# Altium PCB PowerBoard.PcbDoc (part 1 of 2) (continued)
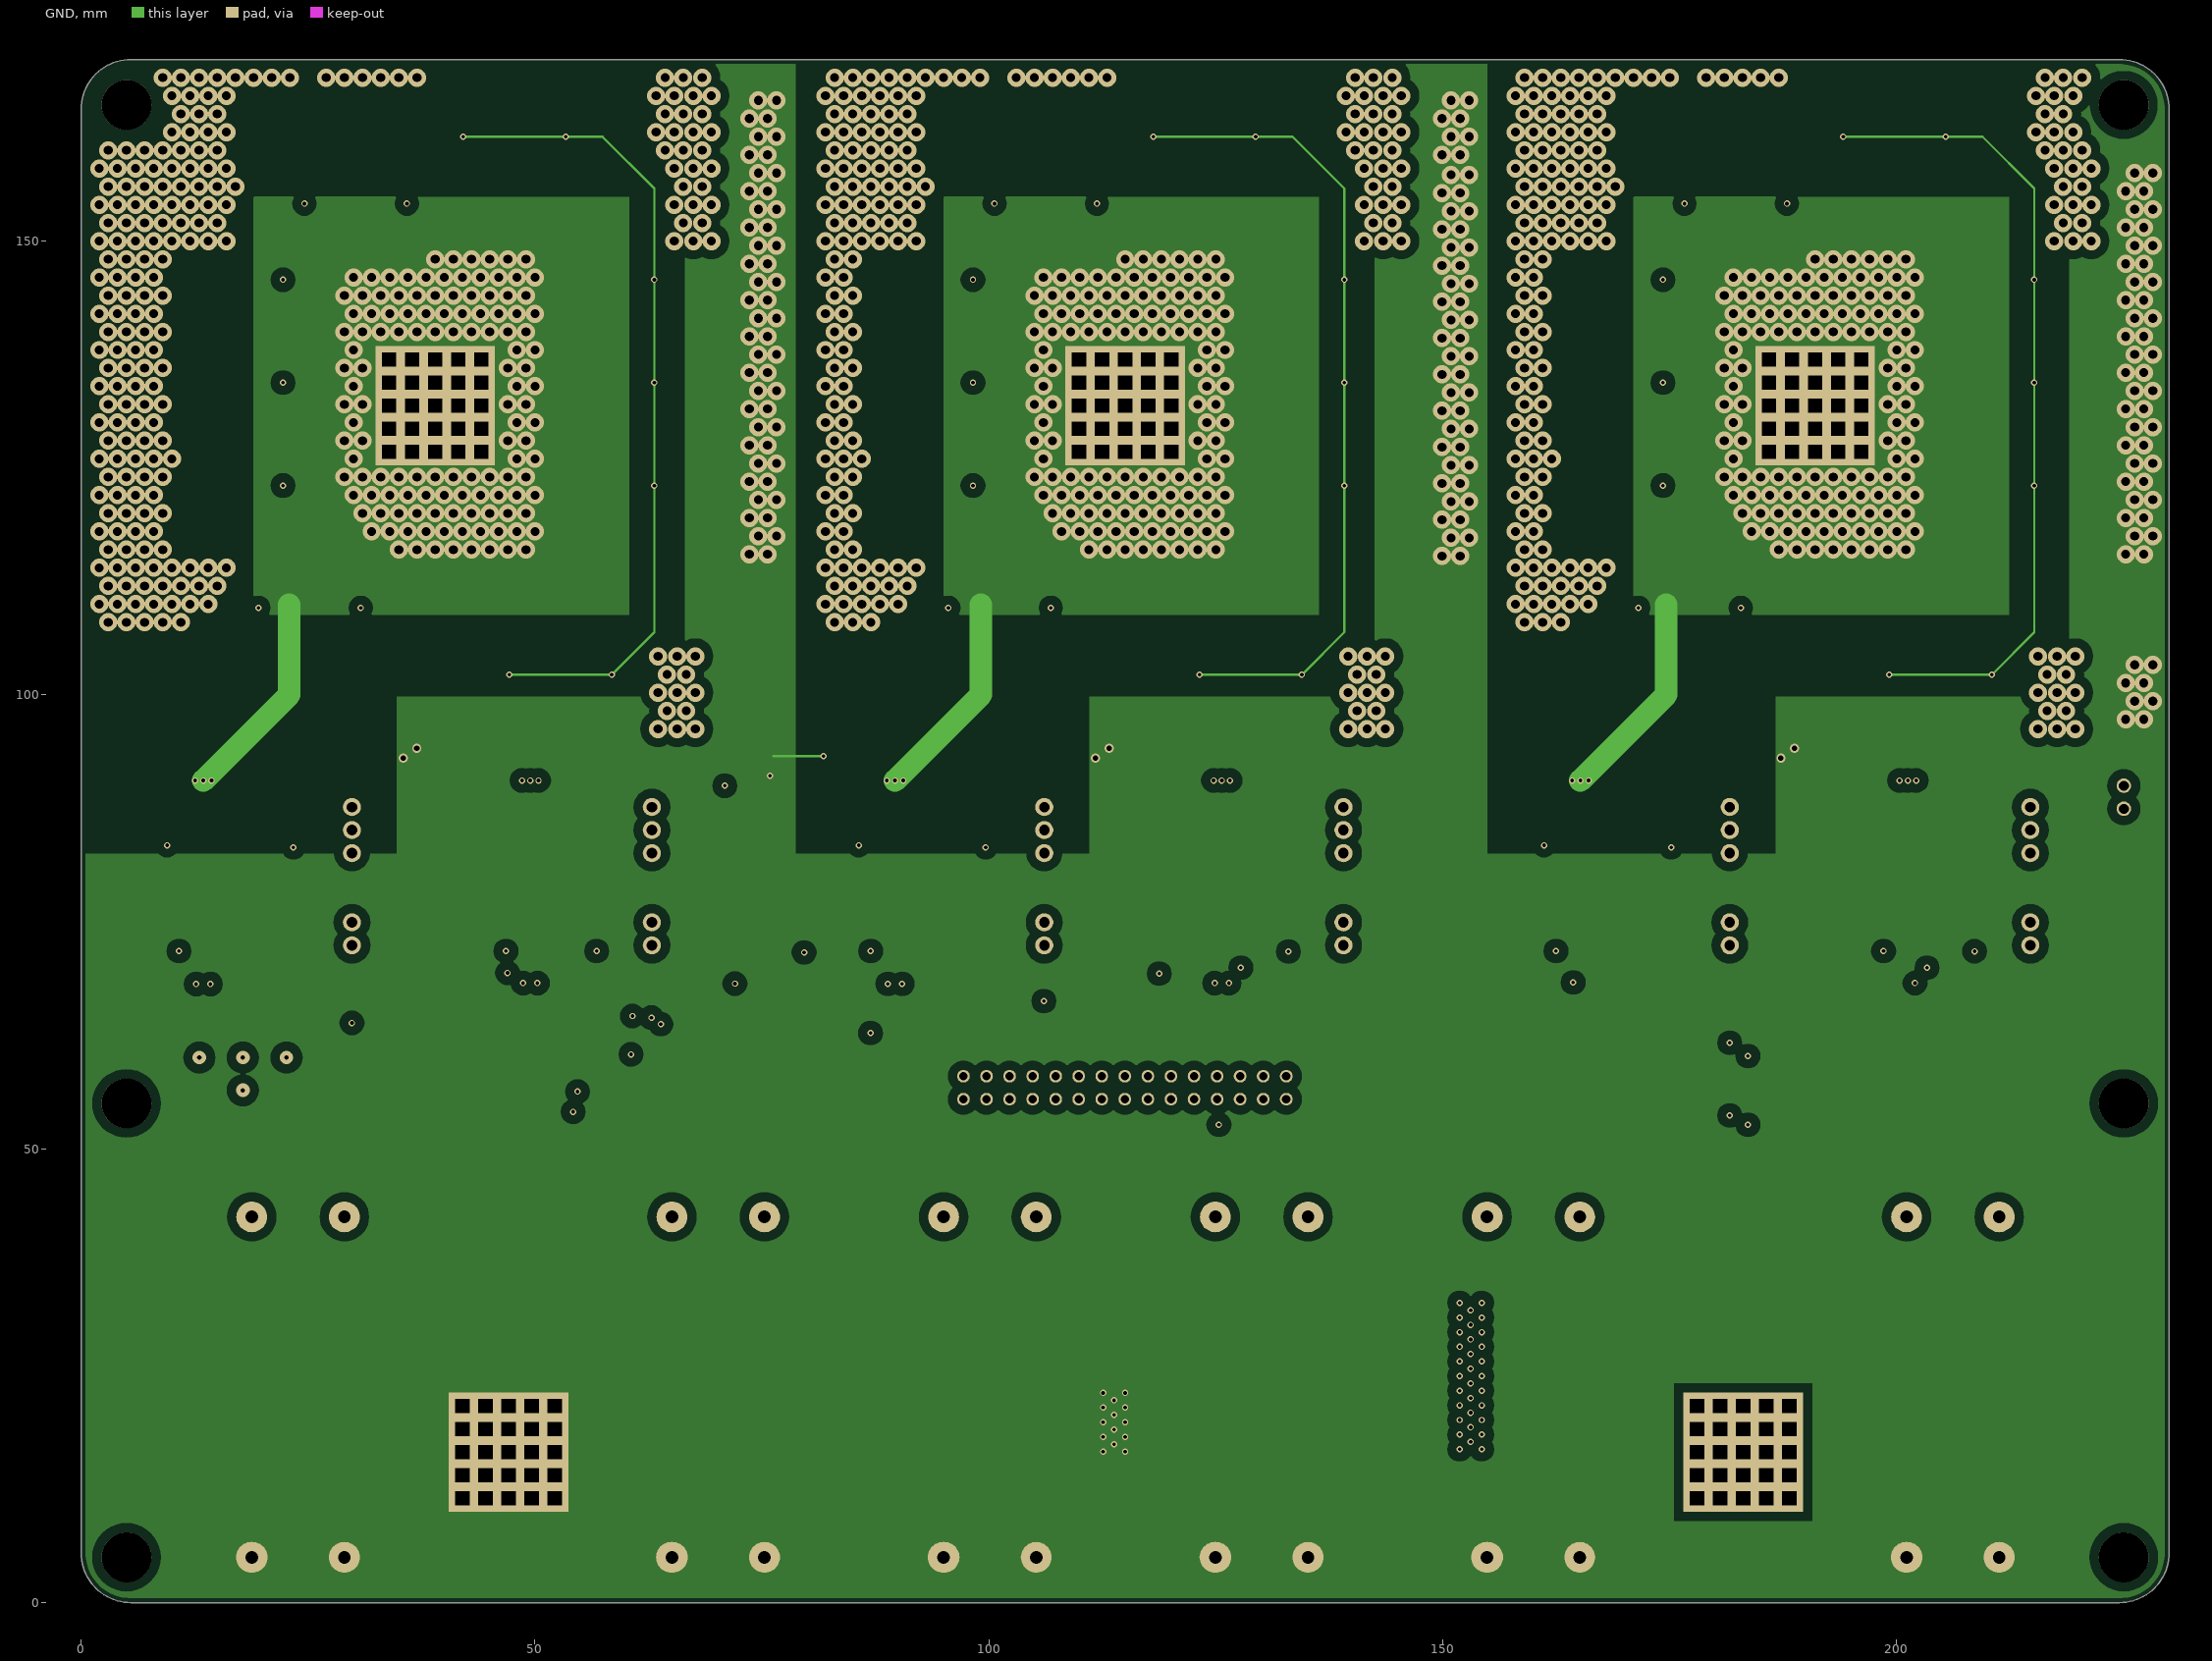
[diagram p3: GND]
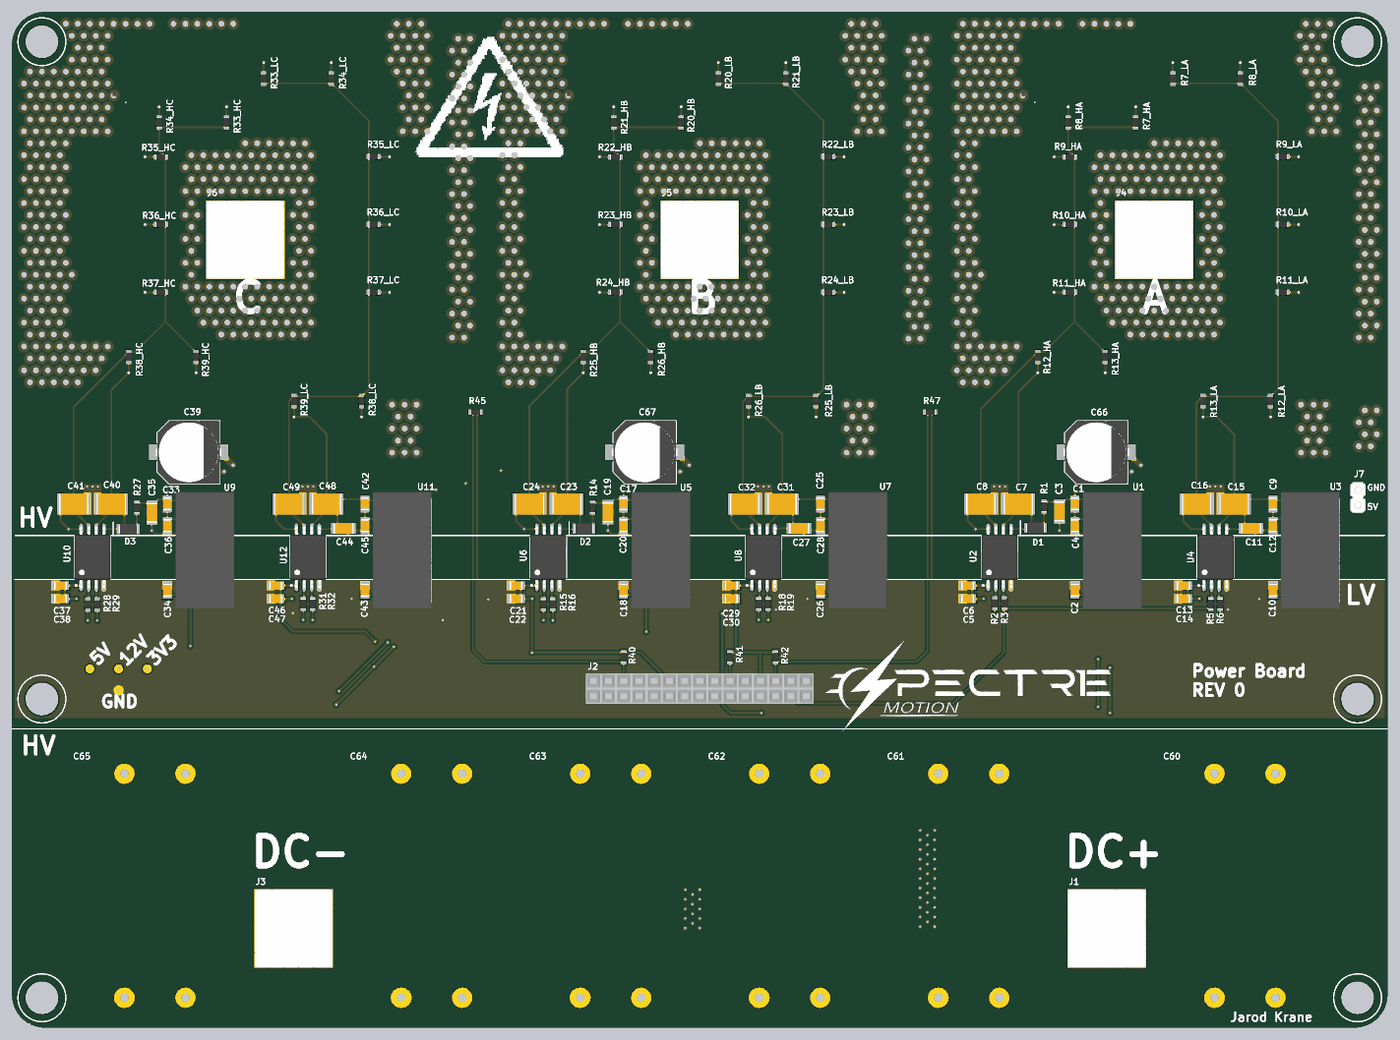
[diagram p5: 3D render of the assembled board from above, using the file's embedded part models]
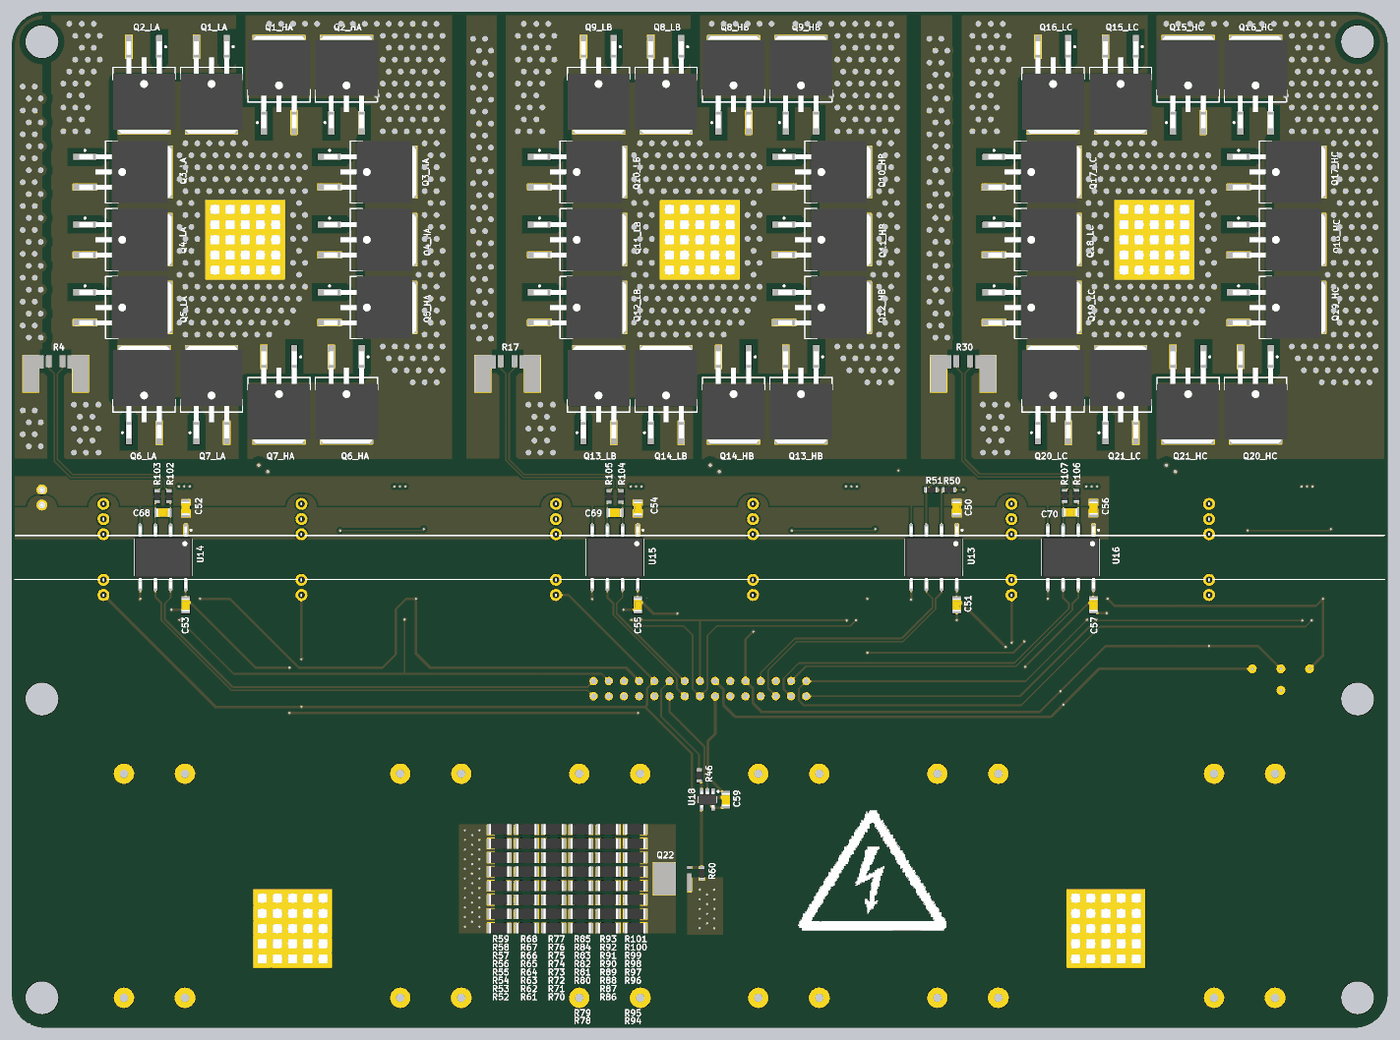
[diagram p6: 3D render of the assembled board from below, using the file's embedded part models]

## Layer stack, top to bottom
Top Solder: solder mask 0.0102, Solder Resist, Dk 3.5
Top Layer: signal copper 0.0356
Dielectric 1: core 0.254, FR-4, Dk 4.2
PWR: signal copper 0.036
Dielectric 4: prepreg 0.127, Dk 4.2
GND: signal copper 0.036
Dielectric 3: core 0.254, Dk 4.2
Bottom Layer: signal copper 0.0356
Bottom Solder: solder mask 0.0102, Solder Resist, Dk 3.5

## Board outline
0,5.5 0,164.5 cw(c5.5,164.5) 5.5,170 224.5,170 cw(c224.5,164.5) 230,164.5 230,5.5 cw(c224.5,5.5) 224.5,0 5.5,0 cw(c5.5,5.5)

## Design rules (kind name [scope] priority, off if disabled: settings)
Clearance Clearance_1 [IsNamedPolygon('High Power') or InNamedPolygon('High Power')] p1: gap=0.254 ignorepadtopadclearanceinfootprint=TRUE except(0: Arc-Hole Track-Hole SMDPad-Hole THPad-Hole Via-Hole Fill-Hole Poly-Hole Region-Hole Text-Hole; 0.1: Arc-Arc Arc-Track Track-Track; 0.127: SMDPad-SMDPad; 0.2: Arc-SMDPad Arc-Text Track-SMDPad Track-Text SMDPad-Text THPad-Text Via-Text Fill-Text Poly-Text Region-Text Text-Text; 1: Track-Poly SMDPad-Poly THPad-Poly Via-Poly; 1.5: Poly-Poly)
Clearance [All] p2: gap=0.254 ignorepadtopadclearanceinfootprint=TRUE except(0: Arc-Hole Track-Hole SMDPad-Hole THPad-Hole Via-Hole Fill-Hole Poly-Hole Region-Hole Text-Hole; 0.1: Arc-Arc Arc-Track Track-Track; 0.127: SMDPad-SMDPad; 0.2: Arc-SMDPad Arc-THPad Arc-Text Track-SMDPad Track-THPad Track-Text SMDPad-THPad SMDPad-Text THPad-Text Via-Text Fill-Text Poly-Text Region-Text Text-Text)
DiffPairsRouting [All] p1: maxlimit=0.254 minlimit=0.2 mostfreqgap=0.254 toplayer_minwidth=0.2 toplayer_maxwidth=0.381 toplayer_prefwidth=0.381 midlayer1_mingap=0.254 midlayer1_minwidth=0.381 midlayer1_maxwidth=0.381 midlayer1_prefwidth=0.381 midlayer2_mingap=0.254 midlayer2_minwidth=0.381 midlayer2_maxwidth=0.381 midlayer2_prefwidth=0.381 bottomlayer_minwidth=0.2 bottomlayer_maxwidth=0.381 bottomlayer_prefwidth=0.381 maxuncoupledlength=12.7
PlaneClearance [All] p1: clearance=0.5
PolygonConnect PolygonConnect_2 [IsNamedPolygon('Low Power') or InNamedPolygon('Low Power')] p1: connectstyle=Direct reliefconductorwidth=0.254 reliefentries=4 polygonreliefangle="90 Angle" airgapwidth=0.254
PolygonConnect PolygonConnect_1 [IsNamedPolygon('High Power') or InNamedPolygon('High Power')] p2: connectstyle=Direct reliefconductorwidth=0.254 reliefentries=4 polygonreliefangle="90 Angle" airgapwidth=0.254
PolygonConnect [All] p3: connectstyle=Relief reliefconductorwidth=0.254 reliefentries=4 polygonreliefangle="90 Angle" airgapwidth=0.254
RoutingVias [All] p1: holewidth=0.4 width=0.7 viastyle="Through Hole" minholewidth=0.2 minwidth=0.4 maxholewidth=2 maxwidth=4
SolderMaskExpansion [All] p1: expansion=0.102
Width [All] p1: maxlimit=5 minlimit=0.1 preferedwidth=0.254 toplayer_prefwidth=0.25 midlayer1_minwidth=0.254 midlayer2_minwidth=0.254 bottomlayer_prefwidth=0.2 minimp=50.000000 maximp=50.000000 favimp=50.000000
28 further rules are at their usual default settings.

## Classes and differential pairs
component class LB: Q8_LB Q9_LB Q10_LB Q11_LB Q12_LB Q13_LB Q14_LB R20_LB R21_LB R22_LB R23_LB R24_LB R25_LB R26_LB
component class LA: Q1_LA Q2_LA Q3_LA Q4_LA Q5_LA Q6_LA Q7_LA R7_LA R8_LA R9_LA R10_LA R11_LA R12_LA R13_LA
component class HB: Q8_HB Q9_HB Q10_HB Q11_HB Q12_HB Q13_HB Q14_HB R20_HB R21_HB R22_HB R23_HB R24_HB R25_HB R26_HB
component class HA: Q1_HA Q2_HA Q3_HA Q4_HA Q5_HA Q6_HA Q7_HA R7_HA R8_HA R9_HA R10_HA R11_HA R12_HA R13_HA
channel class IGBT_C: HC LC
channel class IGBT_B: HC LC
channel class IGBT_A: HC LC
component class U_Sensors: C50 C51 R40 R41 R42 R45 R46 R47 R50 R51 U13
component class U_PhaseCLeg: C33 C34 C35 C36 C37 C38 C39 C40 C41 C42 C43 C44 C45 C46 C47 C48 C49 D3 R27 R28 R29 R30 R31 R32 U9 U10 U11 U12
component class U_PhaseBLeg: C17 C18 C19 C20 C21 C22 C23 C24 C25 C26 C27 C28 C29 C30 C31 C32 C67 D2 R14 R15 R16 R17 R18 R19 U5 U6 U7 U8
component class U_PhaseALeg: C1 C2 C3 C4 C5 C6 C7 C8 C9 C10 C11 C12 C13 C14 C15 C16 C66 D1 R1 R2 R3 R4 R5 R6 U1 U2 U3 U4
component class U_CurrentSens: C52 C53 C54 C55 C56 C57 C68 C69 C70 R102 R103 R104 R105 R106 R107 U14 U15 U16
component class U_Connectors: C60 C61 C62 C63 C64 C65 J1 J2 J3 J4 J5 J6 J7
component class U_AIRControl: C59 Q22 R52 R53 R54 R55 R56 R57 R58 R59 R60 R61 R62 R63 R64 R65 R66 R67 R68 R70 R71 R72 R73 R74 R75 R76 R77 R78 R79 R80 R81 R82 R83 R84 R85 R86 R87 R88 R89 R90 R91 R92 R93 R94 R95 R96 R97 R98 R99 R100 R101 U18
component class LC: Q15_LC Q16_LC Q17_LC Q18_LC Q19_LC Q20_LC Q21_LC R33_LC R34_LC R35_LC R36_LC R37_LC R38_LC R39_LC
component class HC: Q15_HC Q16_HC Q17_HC Q18_HC Q19_HC Q20_HC Q21_HC R33_HC R34_HC R35_HC R36_HC R37_HC R38_HC R39_HC
differential pair Vsns: +Vsns_P -Vsns_N
differential pair IsnsC: +IsnsC_P -IsnsC_N
differential pair IsnsB: +IsnsB_P -IsnsB_N
differential pair IsnsA: +IsnsA_P -IsnsA_N
differential pair ShuntC: +ShuntC_P -ShuntC_N
differential pair ShuntB: +ShuntB_P -ShuntB_N
differential pair ShuntA: +ShuntA_P -ShuntA_N

## Components (designator, comment, footprint, x,y, rotation, side; value= is the part's Value field where it differs from the comment)
C1 "1uF" CAP-0805 177.736,87.661 r90 top
C2 "1uF" CAP-0805 177.736,73.212 r270 top
C3 "4.7uF" CAP-1206 175.136,86.38 r90 top
C4 "1uF" CAP-0805 177.736,84.004 r90 top
C5 "0.1uF" CAP-0805 159.776,71.786 r0 top
C6 "1uF" CAP-0805 159.776,73.986 r0 top
C7 "15uF" CAP-1812 168.271,87.629 r0 top
C8 "15uF" CAP-1812 162.001,87.629 r0 top
C9 "1uF" CAP-0805 210.846,87.661 r90 top
C10 "1uF" CAP-0805 210.846,73.212 r270 top
C11 "4.7uF" CAP-1206 207.175,83.568 r180 top
C12 "1uF" CAP-0805 210.846,84.004 r90 top
C13 "0.1uF" CAP-0805 195.851,73.986 r0 top
C14 "1uF" CAP-0805 195.851,71.786 r0 top
C15 "15uF" CAP-1812 204.346,87.629 r0 top
C16 "15uF" CAP-1812 198.076,87.629 r0 top
C17 "1uF" CAP-0805 102.24,87.661 r90 top
C18 "1uF" CAP-0805 102.24,73.212 r270 top
C19 "4.7uF" CAP-1206 99.64,86.245 r90 top
C20 "1uF" CAP-0805 102.24,84.004 r90 top
C21 "0.1uF" CAP-0805 84.29,73.986 r0 top
C22 "1uF" CAP-0805 84.29,71.786 r0 top
C23 "15uF" CAP-1812 92.785,87.629 r0 top
C24 "15uF" CAP-1812 86.515,87.629 r0 top
C25 "1uF" CAP-0805 135.18,87.661 r90 top
C26 "1uF" CAP-0805 135.18,73.212 r270 top
C27 "4.7uF" CAP-1206 131.6,83.543 r180 top
C28 "1uF" CAP-0805 135.18,84.004 r90 top
C29 "0.1uF" CAP-0805 120.29,73.986 r0 top
C30 "1uF" CAP-0805 120.29,71.786 r0 top
C31 "15uF" CAP-1812 128.785,87.629 r0 top
C32 "15uF" CAP-1812 122.515,87.629 r0 top
C33 "1uF" CAP-0805 25.985,87.661 r90 top
C34 "1uF" CAP-0805 25.985,73.212 r270 top
C35 "4.7uF" CAP-1206 23.385,86.179 r90 top
C36 "1uF" CAP-0805 25.985,84.004 r90 top
C37 "0.1uF" CAP-0805 8.1,73.986 r0 top
C38 "1uF" CAP-0805 8.1,71.786 r0 top
C39 "150uF" CAPCAN-10mm 29.53,96.29 r0 top
C40 "15uF" CAP-1812 16.595,87.629 r0 top
C41 "15uF" CAP-1812 10.325,87.629 r0 top
C42 "1uF" CAP-0805 59.02,87.661 r90 top
C43 "1uF" CAP-0805 59.02,73.212 r270 top
C44 "4.7uF" CAP-1206 55.425,83.543 r180 top
C45 "1uF" CAP-0805 59.02,84.004 r90 top
C46 "0.1uF" CAP-0805 44.115,73.986 r0 top
C47 "1uF" CAP-0805 44.115,71.786 r0 top
C48 "15uF" CAP-1812 52.61,87.629 r0 top
C49 "15uF" CAP-1812 46.34,87.629 r0 top
C50 "0.1uF" CAP-0805 72.02,86.94 r270 bottom
C51 "0.1uF" CAP-0805 72.02,70.746 r90 bottom
C52 "0.1uF" CAP-0805 200.941,86.908 r270 bottom
C53 "0.1uF" CAP-0805 200.941,70.746 r90 bottom
C54 "0.1uF" CAP-0805 125.365,86.886 r270 bottom
C55 "0.1uF" CAP-0805 125.365,70.746 r90 bottom
C56 "0.1uF" CAP-0805 49.165,86.94 r270 bottom
C57 "0.1uF" CAP-0805 49.165,70.746 r90 bottom
C59 "1uF" CAP-0805 110.645,38.16 r270 bottom
C60 "50UF" DCLINKCAP 211.275,5 r90 top
C61 "50UF" DCLINKCAP 165.075,5 r90 top
C62 "50UF" DCLINKCAP 135.142,5 r90 top
C63 "50UF" DCLINKCAP 105.208,5 r90 top
C64 "50UF" DCLINKCAP 75.275,5 r90 top
C65 "50UF" DCLINKCAP 29,5 r90 top
C66 "150uF" CAPCAN-10mm 181.292,96.29 r0 top
C67 "150uF" CAPCAN-10mm 105.785,96.29 r0 top
C68 "37pF" CAP-0805 204.751,86.208 r180 bottom
C69 "37pF" CAP-0805 129.175,86.186 r180 bottom
C70 "37pF" CAP-0805 52.975,86.24 r180 bottom
D1 "US1NWF-7" DIOM2718X12N 171.127,83.647 r0 top
D2 "US1NWF-7" DIOM2718X12N 95.655,83.497 r0 top
D3 "US1NWF-7" DIOM2718X12N 19.425,83.436 r0 top
J1 "M8 Terminal" "M8 TERMINAL" 176.5,10 r0 top locked
J2 "1-534998-5" "CONN POS-F" 132.75,58 r180 top locked
J3 "M8 Terminal" "M8 TERMINAL" 40.5,10 r0 top locked
J4 "M8 Terminal" "M8 TERMINAL" 184.42,125.28 r0 top locked
J5 "M8 Terminal" "M8 TERMINAL" 108.42,125.28 r0 top locked
J6 "M8 Terminal" "M8 TERMINAL" 32.42,125.28 r0 top locked
J7 "PPPC021LFBN-RC" CONN-2POS-F 225,90 r270 top locked
Q1_HA "STGB30V60DF" DPAK2_IGBT 185.353,157.81 r90 bottom (schematic designator Q1)
Q1_LA "STGB30V60DF" DPAK2_IGBT 196.637,157.81 r270 bottom (schematic designator Q1)
Q2_HA "STGB30V60DF" DPAK2_IGBT 174.07,157.81 r90 bottom (schematic designator Q2)
Q2_LA "STGB30V60DF" DPAK2_IGBT 207.92,157.81 r270 bottom (schematic designator Q2)
Q3_HA "STGB30V60DF" DPAK2_IGBT 170.55,143.2 r180 bottom (schematic designator Q3)
Q3_LA "STGB30V60DF" DPAK2_IGBT 211.45,143.2 r180 bottom (schematic designator Q3)
Q4_HA "STGB30V60DF" DPAK2_IGBT 170.55,131.86 r180 bottom (schematic designator Q4)
Q4_LA "STGB30V60DF" DPAK2_IGBT 211.45,131.86 r180 bottom (schematic designator Q4)
Q5_HA "STGB30V60DF" DPAK2_IGBT 170.55,120.52 r180 bottom (schematic designator Q5)
Q5_LA "STGB30V60DF" DPAK2_IGBT 211.45,120.52 r180 bottom (schematic designator Q5)
Q6_HA "STGB30V60DF" DPAK2_IGBT 174.07,105.91 r270 bottom (schematic designator Q6)
Q6_LA "STGB30V60DF" DPAK2_IGBT 207.92,105.91 r90 bottom (schematic designator Q6)
Q7_HA "STGB30V60DF" DPAK2_IGBT 185.353,105.91 r270 bottom (schematic designator Q7)
Q7_LA "STGB30V60DF" DPAK2_IGBT 196.637,105.91 r90 bottom (schematic designator Q7)
Q8_HB "STGB30V60DF" DPAK2_IGBT 109.353,157.81 r90 bottom (schematic designator Q8)
Q8_LB "STGB30V60DF" DPAK2_IGBT 120.636,157.81 r270 bottom (schematic designator Q8)
Q9_HB "STGB30V60DF" DPAK2_IGBT 98.07,157.81 r90 bottom (schematic designator Q9)
Q9_LB "STGB30V60DF" DPAK2_IGBT 131.92,157.81 r270 bottom (schematic designator Q9)
Q10_HB "STGB30V60DF" DPAK2_IGBT 94.55,143.2 r180 bottom (schematic designator Q10)
Q10_LB "STGB30V60DF" DPAK2_IGBT 135.45,143.2 r180 bottom (schematic designator Q10)
Q11_HB "STGB30V60DF" DPAK2_IGBT 94.55,131.86 r180 bottom (schematic designator Q11)
Q11_LB "STGB30V60DF" DPAK2_IGBT 135.45,131.86 r180 bottom (schematic designator Q11)
Q12_HB "STGB30V60DF" DPAK2_IGBT 94.55,120.52 r180 bottom (schematic designator Q12)
Q12_LB "STGB30V60DF" DPAK2_IGBT 135.45,120.52 r180 bottom (schematic designator Q12)
Q13_HB "STGB30V60DF" DPAK2_IGBT 98.07,105.91 r270 bottom (schematic designator Q13)
Q13_LB "STGB30V60DF" DPAK2_IGBT 131.92,105.91 r90 bottom (schematic designator Q13)
Q14_HB "STGB30V60DF" DPAK2_IGBT 109.353,105.91 r270 bottom (schematic designator Q14)
Q14_LB "STGB30V60DF" DPAK2_IGBT 120.636,105.91 r90 bottom (schematic designator Q14)
Q15_HC "STGB30V60DF" DPAK2_IGBT 33.343,157.81 r90 bottom (schematic designator Q15)
Q15_LC "STGB30V60DF" DPAK2_IGBT 44.627,157.81 r270 bottom (schematic designator Q15)
Q16_HC "STGB30V60DF" DPAK2_IGBT 22.06,157.81 r90 bottom (schematic designator Q16)
Q16_LC "STGB30V60DF" DPAK2_IGBT 55.91,157.81 r270 bottom (schematic designator Q16)
Q17_HC "STGB30V60DF" DPAK2_IGBT 18.55,143.2 r180 bottom (schematic designator Q17)
Q17_LC "STGB30V60DF" DPAK2_IGBT 59.45,143.2 r180 bottom (schematic designator Q17)
Q18_HC "STGB30V60DF" DPAK2_IGBT 18.55,131.86 r180 bottom (schematic designator Q18)
Q18_LC "STGB30V60DF" DPAK2_IGBT 59.45,131.86 r180 bottom (schematic designator Q18)
Q19_HC "STGB30V60DF" DPAK2_IGBT 18.55,120.52 r180 bottom (schematic designator Q19)
Q19_LC "STGB30V60DF" DPAK2_IGBT 59.45,120.52 r180 bottom (schematic designator Q19)
Q20_HC "STGB30V60DF" DPAK2_IGBT 22.06,105.91 r270 bottom (schematic designator Q20)
Q20_LC "STGB30V60DF" DPAK2_IGBT 55.91,105.91 r90 bottom (schematic designator Q20)
Q21_HC "STGB30V60DF" DPAK2_IGBT 33.343,105.91 r270 bottom (schematic designator Q21)
Q21_LC "STGB30V60DF" DPAK2_IGBT 44.627,105.91 r90 bottom (schematic designator Q21)
Q22 "STL12N60M2" POWERFLAT-FET 119.585,24.9 r90 bottom
R1 "10R" RES-0603 172.577,87.204 r270 top
R2 "120R" RES-0603 164.351,70.986 r90 top
R3 "120R" RES-0603 165.921,70.986 r90 top
R4 "200uR" RES-SHUNT 226.852,106.325 r180 bottom
R5 "120R" RES-0603 200.426,70.918 r90 top
R6 "120R" RES-0603 201.996,70.918 r90 top
R7_HA "10R" RES-0603 187.893,151.46 r90 top (schematic designator R7)
R7_LA "10R" RES-0603 194.1,158.828 r90 top (schematic designator R7)
R8_HA "10R" RES-0603 176.61,151.46 r90 top (schematic designator R8)
R8_LA "10R" RES-0603 205.375,158.828 r90 top (schematic designator R8)
R9_HA "10R" RES-0603 176.9,145.74 r180 top (schematic designator R9)
R9_LA "10R" RES-0603 212.488,145.75 r0 top (schematic designator R9)
R10_HA "10R" RES-0603 176.9,134.4 r180 top (schematic designator R10)
R10_LA "10R" RES-0603 212.488,134.4 r0 top (schematic designator R10)
R11_HA "10R" RES-0603 176.9,123.06 r180 top (schematic designator R11)
R11_LA "10R" RES-0603 212.488,123.05 r0 top (schematic designator R11)
R12_HA "10R" RES-0603 171.53,112.26 r270 top (schematic designator R12)
R12_LA "10R" RES-0603 210.45,104.872 r270 top (schematic designator R12)
R13_HA "10R" RES-0603 182.813,112.26 r270 top (schematic designator R13)
R13_LA "10R" RES-0603 199.175,104.872 r270 top (schematic designator R13)
R14 "10R" RES-0603 97.105,87.054 r270 top
R15 "120R" RES-0603 88.865,70.836 r90 top
R16 "120R" RES-0603 90.435,70.836 r90 top
R17 "200uR" RES-SHUNT 151.269,106.325 r180 bottom
R18 "120R" RES-0603 124.865,70.918 r90 top
R19 "120R" RES-0603 126.435,70.918 r90 top
R20_HB "10R" RES-0603 111.893,151.46 r90 top (schematic designator R20)
R20_LB "10R" RES-0603 118.1,158.828 r90 top (schematic designator R20)
R21_HB "10R" RES-0603 100.61,151.46 r90 top (schematic designator R21)
R21_LB "10R" RES-0603 129.375,158.828 r90 top (schematic designator R21)
R22_HB "10R" RES-0603 100.9,145.74 r180 top (schematic designator R22)
R22_LB "10R" RES-0603 136.488,145.75 r0 top (schematic designator R22)
R23_HB "10R" RES-0603 100.9,134.4 r180 top (schematic designator R23)
R23_LB "10R" RES-0603 136.488,134.4 r0 top (schematic designator R23)
R24_HB "10R" RES-0603 100.9,123.06 r180 top (schematic designator R24)
R24_LB "10R" RES-0603 136.488,123.05 r0 top (schematic designator R24)
R25_HB "10R" RES-0603 95.53,112.26 r270 top (schematic designator R25)
R25_LB "10R" RES-0603 134.45,104.872 r270 top (schematic designator R25)
R26_HB "10R" RES-0603 106.813,112.26 r270 top (schematic designator R26)
R26_LB "10R" RES-0603 123.175,104.872 r270 top (schematic designator R26)
R27 "10R" RES-0603 20.875,87.029 r270 top
R28 "120R" RES-0603 12.675,70.811 r90 top
R29 "120R" RES-0603 14.245,70.811 r90 top
R30 "200uR" RES-SHUNT 75.075,106.325 r180 bottom
R31 "120R" RES-0603 48.69,70.918 r90 top
R32 "120R" RES-0603 50.26,70.918 r90 top
R33_HC "10R" RES-0603 35.883,151.46 r90 top (schematic designator R33)
R33_LC "10R" RES-0603 42.075,158.828 r90 top (schematic designator R33)
R34_HC "10R" RES-0603 24.6,151.46 r90 top (schematic designator R34)
R34_LC "10R" RES-0603 53.375,158.828 r90 top (schematic designator R34)
R35_HC "10R" RES-0603 24.9,145.74 r180 top (schematic designator R35)